# KiCad board Womo.kicad_pcb (continued)
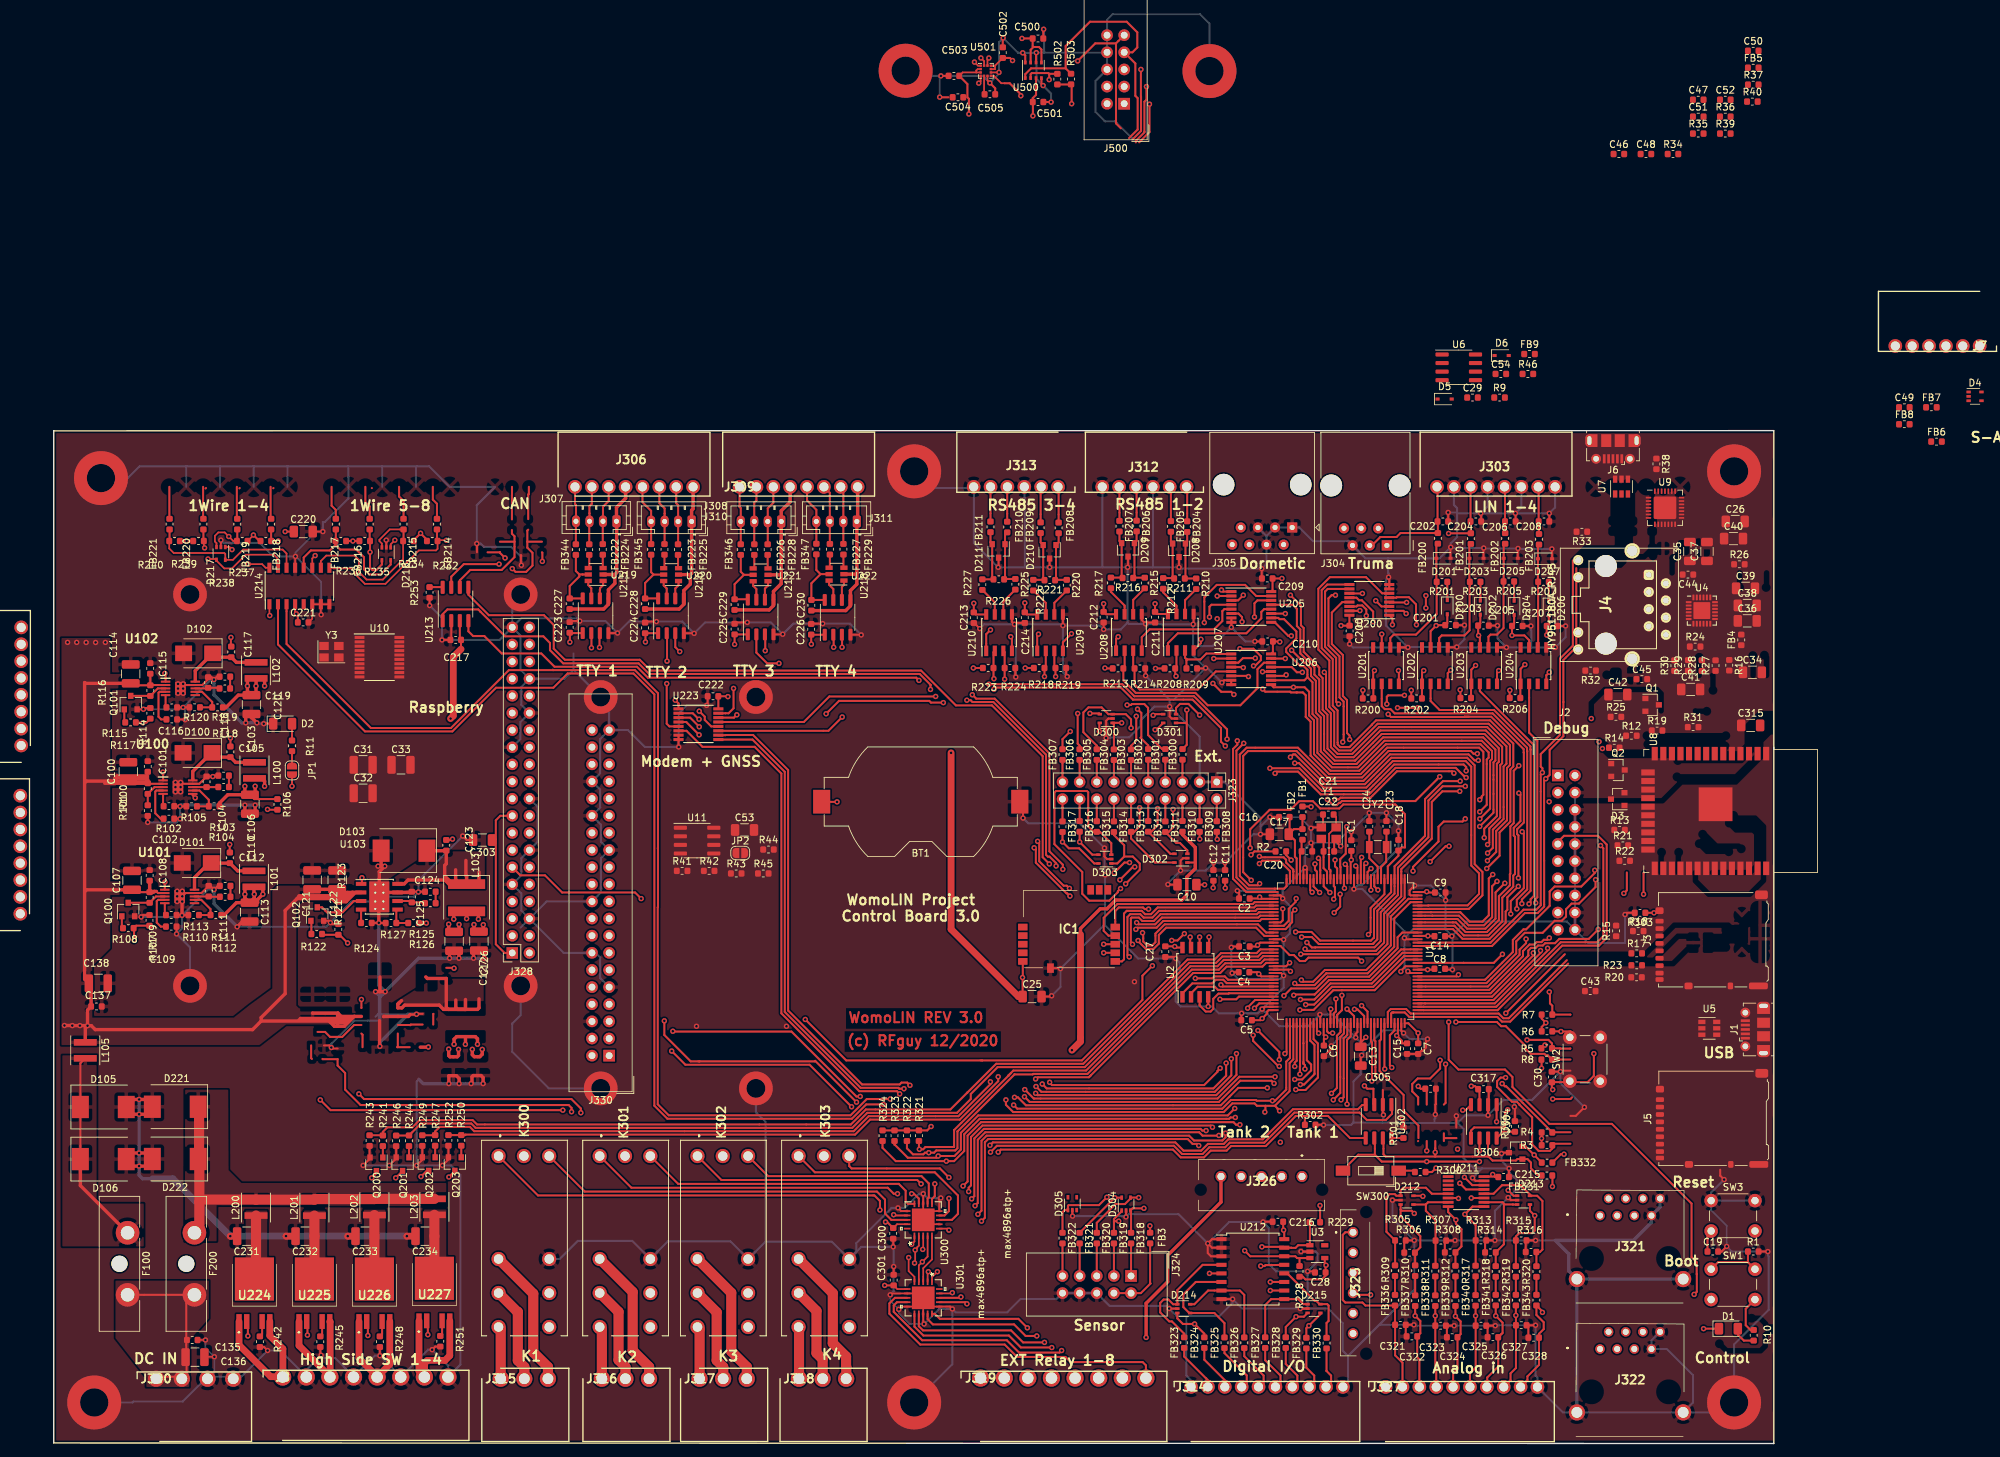
[diagram p0: board, top side]
## Routing (per net, layer and track width the routed paths; a pad name or vN(x,y) marks a point on that pad's centre or on a via; arc(x,y) is an arc through that point) (continued)
  In2.Cu w1: v3(28.32,97.41) v3(29.85,97.41) v3(31.24,97.41) v3(35.31,97.41) 57.79,97.41 60.33,99.95 60.33,105.92 v3(58.8,107.44)
+5V: length 251.1
  Top w0.3: D302.1 168.97,86.1
  Top w0.5: FB310.2 167.26,90.24 169.17,88.34 169.17,85.22 167.89,83.95 167.89,81.28 167.16,80.55 157.37,80.55 156.07,79.25 155.07,79.25 152.15,76.33 152.15,75.44 ; L101.2 30.56,82.5 30.99,82.07 v3(30.99,81.41) 30.21,80.63 30.21,80.16 C113.1 ; L101.2 29.67,81.46 v3(29.72,81.41) 29.72,80.85 C113.1 ; L101.2 28.65,82.5 28.32,82.17 v3(28.32,81.41) 28.32,80.85 C113.1 ; C113.1 27.08,80.16 25.24,78.32 R112.1
  Top w1: 152.15,75.44 152.15,59.56 v3(150.88,58.29)
  In1.Cu w1: K303.A3 116.73,45.21 131.32,45.21 135.38,41.15 140.97,41.15 149.61,49.78 149.61,57.02 v3(150.88,58.29)
  In2.Cu w1.5: K303.A3 114.13,41.12 112.06,39.05 100.33,39.05 99.12,40.26 ; 69.67,40.31 69.67,40.2 68.84,39.37 64.64,39.37 58.17,45.85 31.62,45.85 29.72,47.75 v3(29.72,81.41) ; 69.67,40.31 70.87,39.12 83.38,39.12 84.65,40.39 K301.A3 84.65,40.44 85.92,39.18 97.98,39.18 99.06,40.26 99.12,40.26 ; 69.67,40.31 K300.A3 ; K302.A3 99.14,40.28 99.12,40.26
+5VD: length 80.4
  Top w0.5: 61.01,60.3 59.7,60.3 59.32,59.92 v3(59.32,59.17) ; 61.01,60.3 61.01,59.17 v3(61,59.16) ; 61.01,60.3 62.47,60.3 62.79,59.98 v3(62.79,59.17) ; L103.2 59.23,78.87 59.27,78.83 v3(59.27,77.71) ; L103.2 62.6,78.87 62.93,78.54 v3(62.93,77.71) ; L103.2 v3(61.18,77.79) ; v3(55.51,58.76) 55.49,58.74 54.32,58.74 ; v3(63.5,58.41) 63.5,57.7 63.13,57.33 62.32,57.33 62.03,57.62 v3(62.03,58.42) ; v3(58.52,58.45) 58.52,57.51 58.71,57.32 59.79,57.32 59.98,57.51 v3(59.98,58.41) ; v3(55.21,77.13) 55.2,77.14 R126.1 ; v3(63.65,76.89) 63.65,75.98 63.53,75.86 C126.1 62.45,75.86 62.27,76.05 v3(62.27,76.91) ; v3(60.06,76.92) 60.06,76.1 59.79,75.82 C127.1 58.87,75.82 58.52,76.17 v3(58.52,76.96)
  In2.Cu w0.3: v3(63.65,76.89) 64.09,76.45 69.35,76.45 69.35,76.38 J328.4 J328.2 ; J330.2 J330.4 79.43,59.69 ; 69.13,74.07 69.11,74.05
  In2.Cu w0.5: v3(62.93,77.71) 62.85,77.79 v3(61.18,77.79) 59.35,77.79 v3(59.27,77.71) ; v3(62.93,77.71) 62.27,77.05 v3(62.27,76.91) ; v3(62.93,77.71) 63.65,76.99 v3(63.65,76.89) ; v3(59.27,77.71) v3(58.52,76.96) 58.36,77.13 v3(55.21,77.13) ; v3(59.27,77.71) v3(60.06,76.92) ; v3(55.51,58.76) 58.21,58.76 v3(58.52,58.45) 58.6,58.45 v3(59.32,59.17) 59.98,58.51 v3(59.98,58.41) 60.25,58.41 v3(61,59.16) 61.74,58.42 v3(62.03,58.42) 62.04,58.42 v3(62.79,59.17) 62.79,59.12 v3(63.5,58.41) 78.83,58.41 J330.2
GND: length 2604.2
  Top w0.25: C20.2 186.49,88.85 v3(186.31,89.03) ; C16.1 v3(180.21,92.84) ; U300.21 130.14,34.45 U300.10 ; U300.21 U300.13 ; U300.21 129.49,32.5 U300.7 ; v3(24.77,133.88) 24.77,133.44 24.77,133.44 D217.2 ; v3(39.88,135.15) C220.2 ; U214.7 U214.6 38.31,122.25 C221.2 ; U214.7 39.58,122.88 v3(39.62,122.83) ; U214.7 U214.8 ; v3(138.71,201.65) 138.36,202 U501.6 ; U301.21 130.14,20.29 U301.16 ; U301.21 127.54,20.29 U301.10 125.64,20.29 v3(125.22,19.88) ; U301.21 128.19,22.24 U301.7 124.16,22.24 v3(123.95,22.03) ; U301.21 U301.13 ; v3(140.07,203.21) 140.06,203.2 U501.8 ; v3(35.81,131.47) 35.77,131.42 U214.13 ; v3(23.8,12.85) 22.38,12.85 C136.2 ; C135.2 v3(22.48,15.34) ; C17.1 v3(178.82,90.3)
  Top w0.3: C102.2 18.7,92.61 v3(18.72,92.58) ; 180.73,64.73 179.41,64.73 v3(179.07,64.39) ; 40.04,59 40.82,59 v3(41.14,58.69) 41.29,58.53 42.06,58.53 ; v3(165.29,20) 165.31,19.99 D214.2 ; 202.13,74.73 200.35,74.73 v3(200.15,74.93) ; v3(146.69,209.6) 146.64,209.55 C500.2 ; U211.15 210.69,38.93 v3(210.25,39.37) ; v3(168.85,121.41) 168.91,121.48 168.91,122.94 ; D304.2 158.9,33.6 v3(158.89,33.58) ; Y1.4 190.03,89.19 v3(190.7,88.52) ; U218.4 119.63,119.87 v3(119.66,119.84) ; v3(174.5,73.53) 174.63,73.66 C3.2 ; D209.3 159.19,129.92 v3(159.13,129.86) ; C225.2 101.09,121.69 v3(102.77,121.69) ; v3(113.95,121.51) 112.29,121.51 C226.2 ; U208.5 161.23,122.05 v3(161.8,121.48) 162,121.68 C211.1 ; v3(182.11,80.77) 182.11,80.93 181.81,81.23 180.73,81.23 ; Q101.2 13.27,108.81 v3(13.29,108.83) 13.46,109 R114.2 ; D211.3 140.01,129.92 v3(139.95,129.86) ; v3(174.5,120.97) 174.51,120.98 U205.8 U205.7 ; v3(247.9,29.21) 247.14,28.45 C19.2 ; v3(173.1,112.78) 173.45,113.12 U206.7 U206.8 ; U500.5 143.96,205.73 v3(143.59,206.11) ; R303.2 233.1,78.65 v3(232.84,78.4) ; C7.2 202.26,57.73 ; C7.2 C15.1 200.46,57.73 ; C7.2 202.65,58.2 202.85,58.2 203.36,58.7 203.36,59.73 v3(203.57,59.94) ; v3(166.98,84.91) 166.98,86.37 167.36,86.75 D302.2 ; v3(200.66,69.98) 200.91,69.73 202.13,69.73 ; 185.68,83.68 185.68,85.09 v3(185.43,85.34) 185.18,85.09 185.18,83.68 ; v3(60.61,90.03) 61.2,89.43 C303.2 ; R242.1 31.17,14.3 v3(31.69,13.78) ; C27.2 166.02,72.11 v3(166.24,71.88) ; v3(207.9,118.05) 207.84,117.99 U202.5 ; C9.2 v3(206.25,80.52) ; v3(200.66,117.98) 200.66,117.99 U201.5 ; R306.2 200.13,29.88 R305.2 v3(201.61,30.1) ; U300.10 131.22,36.16 v3(131.45,36.39) ; C223.2 76.61,121.89 v3(77.95,121.89) ; 224.75,48.56 225.54,48.56 v3(226.82,49.84) ; v3(176.02,63.75) 175.97,63.7 C5.2 ; v3(216.45,49.9) 216.52,49.82 R304.2 ; R302.2 188.14,47.23 v3(188.16,47.21) ; D215.2 v3(184.72,20) ; v3(219.58,17.53) C327.2 218.52,17.26 C328.2 ; C503.2 v3(131.46,202.69) ; 199.68,62.28 199.68,61.17 v3(200.03,60.83) ; U203.5 215.26,117.99 v3(215.27,117.98) ; v3(215.65,40.77) 215.63,40.75 C215.1 ; C224.2 87.78,121.82 v3(89.31,121.82) ; v3(185.8,25.51) 186.73,25.51 C28.2 ; v3(207.85,48.55) 207.84,48.54 207.84,46.84 ; C109.2 v3(18.2,75.53) ; IC1.6 149.11,70.46 v3(149.18,70.38) ; D203.2 211.87,132.69 v3(211.9,132.72) ; R253.2 55.69,124.21 v3(55.7,124.19) ; R127.2 48.21,77.14 v3(48.17,77.18) 48.15,77.15 R124.1 ; U204.5 v3(222.5,117.98) ; v3(201.65,82.7) 200.92,81.96 200.92,81.37 201.06,81.23 202.13,81.23 ; 187.68,62.28 187.68,63.52 v3(187.62,63.58) ; C23.1 v3(197.49,93.47) ; v3(216.6,137.86) 216.62,137.83 C206.2 ; v3(143.63,92.69) 143.63,94.64 BT1.2 ; v3(179.21,32.83) 179.25,32.87 C216.1 ; U209.5 v3(149.54,121.22) ; C501.2 147.78,198.82 v3(147.79,198.81) ; C205.1 v3(218.89,121.16) ; U200.7 U200.8 197.9,128.3 v3(197.8,128.4) ; 193.68,56 193.68,57.4 v3(193.8,57.53) 193.8,57.28 ; C502.2 140.63,208.25 v3(140.69,208.32) ; v3(182.25,69.34) 181.86,69.73 180.73,69.73 ; 128.84,37.21 v3(128.84,37.02) U300.13 ; v3(179.01,129.67) 179.01,128.23 179.04,128.21 ; R245.1 39.5,13.21 v3(39.62,13.08) ; v3(62.69,133.38) 62.71,133.35 62.71,132.08 ; C208.2 v3(221.62,137.86) ; v3(13.92,92.05) 13.93,92.06 R101.2 ; C11.2 173.57,86.07 v3(173.55,86.1) ; v3(189.31,58.93) 189.31,58.5 C6.2 ; C202.2 v3(206.63,137.99) ; v3(175.39,81.91) 175.64,81.66 C2.2 ; v3(222,132.59) 222.03,132.55 D207.2 ; v3(108.03,119.94) 108.01,119.92 U217.4 ; U212.2 171.64,29.02 v3(171.01,29.65) ; C200.2 v3(192.02,118.49) ; v3(207.52,17.46) C323.2 206.44,17.32 C324.2 ; v3(19.47,107.26) 19.42,107.31 C116.2 ; C213.1 136.4,121.6 v3(137.22,120.78) ; D300.2 156.28,107.44 155.95,107.11 v3(155.95,104.57) ; R107.2 13.23,78.32 v3(12.96,78.04) ; 143.89,121.61 142.57,121.61 v3(142.37,121.41) 141.99,121.79 141.99,122.87 ; v3(171.01,29.65) 171.64,30.29 U212.1 ; v3(171.01,29.65) 171.01,28.22 171.48,27.75 U212.3 ; U216.4 94.87,120.1 v3(94.9,120.07) ; v3(204.73,48.77) 204.73,50.23 204.81,50.32 C305.1 ; U3.2 184.85,28.44 v3(184.82,28.46) ; v3(19.05,81.09) 19.54,81.58 U101.9 21.89,81.58 C111.1 23.2,82.65 v3(23.76,82.09) 24.31,82.64 C112.1 ; C210.2 v3(177.99,118.87) ; v3(192.66,82.17) 192.68,82.19 192.68,83.68 ; D208.3 v3(166.75,129.86) ; 69.29,131.59 69.23,131.65 69.23,130.23 v3(69.29,130.16) ; U100.11 18.9,97.78 U100.9 21.57,97.78 C104.1 23.56,98.86 v3(23.57,98.84) 23.71,98.98 C105.1 ; v3(182.25,74.68) 182.19,74.73 180.73,74.73 ; v3(146.61,201.26) 146.36,201.5 U500.1 ; 224.75,55.25 223.4,55.25 v3(223.27,55.12) 223.25,55.11 C30.1 ; D212.2 v3(198.38,36.07) ; v3(128.97,17.72) 128.84,17.84 U301.13 ; R248.1 v3(48.32,13.02) ; C21.2 188.09,91.57 Y1.2 186.44,91.31 v3(186.31,91.19) ; v3(165.36,109.22) 165.36,107.77 165.68,107.44 D301.2 ; v3(142.56,113.6) 142.48,113.68 R224.2 ; v3(138.71,201.65) 139.51,200.85 C505.2 ; R252.2 Q203.2 58.48,42.1 v3(57.6,41.21) ; 206.17,70.23 v3(207.26,70.23) ; v3(212.54,48.64) 212.54,50.17 212.65,50.28 C317.1 ; D303.2 156.08,86.62 155.68,87.02 155.68,88.23 v3(155.7,88.25) ; R113.2 19.06,78.32 v3(19.01,78.27) 18.96,78.32 R110.2 ; C22.2 189.74,89.32 ; C201.1 v3(209.04,121.28) ; C25.2 147.75,66.24 v3(147.87,66.35) ; v3(171.87,86.1) 171.84,86.07 C12.2 ; C301.1 v3(124.46,26.23) ; R121.2 41.23,76.97 v3(41,77.2) 40.73,77.47 Q102.2 40.01,77.22 ; C24.1 v3(194.95,93.47) ; 193.18,62.28 193.18,60.98 192.91,60.71 192.91,60.2 v3(192.93,60.18) ; C204.2 211.52,137.79 v3(211.46,137.86) ; C10.2 165.13,82.82 v3(165.1,82.85) ; v3(145.61,206.13) 145.56,206.09 U500.7 ; v3(213.62,17.46) C325.2 212.47,17.27 C326.2 ; C212.1 v3(155.58,120.65) ; v3(83.54,120.12) 83.53,120.11 U215.4 ; v3(133.16,19.94) 132.81,20.29 U301.16 ; v3(45.85,41.21) 46.87,42.23 Q200.2 46.8,42.45 R243.2 ; v3(201.55,17.59) C321.2 200.34,16 C322.2 ; U212.8 v3(174.69,21.4) ; U223.7 U223.8 92.58,103.25 v3(92.61,103.23) ; C222.2 96.9,109.55 v3(96.75,109.4) ; R308.2 206.13,29.87 R307.2 207.62,30.07 v3(207.65,30.1) ; v3(247.52,39.12) 246.95,39.69 246.95,40.58 ; U300.16 125.57,34.45 v3(125.1,34.92) ; C119.1 24.17,113.65 v3(23.74,113.22) 23.38,113.58 C118.1 22.89,113.28 22.02,112.41 U102.9 19.27,112.41 U102.11 ; v3(199.82,48.09) 200,47.92 R301.2 ; v3(131.28,199.54) 131.31,199.52 132.59,199.52 ; 175.59,69.85 174.75,69.85 v3(174.63,69.72) ; C14.1 v3(207.17,75.18) ; v3(215.52,36.45) 215.9,36.07 D213.2 ; C300.1 v3(124.4,29.15) ; C124.2 54.08,81.78 v3(54.04,81.74) 54,81.78 C125.2 ; v3(56.07,13.91) 56.53,14.36 R251.1 ; D305.2 150.94,33.73 v3(150.97,33.7) ; D210.3 147.57,129.86 v3(147.57,129.86) ; 193.68,57.53 193.8,57.66 ; R214.2 161.8,114.81 v3(161.8,113.79) ; v3(197.04,48.7) 196.95,48.79 U302.2 196.95,52.4 ; R117.2 v3(19.18,109.09) 19.19,109.11 R120.2 ; v3(219.58,30.1) R315.2 218.12,29.98 R316.2 ; 58.9,121.45 58.9,119.23 C217.1 v3(57.53,119.1) ; v3(214.54,42.98) 214.67,43.1 D306.3 ; v3(150.18,113.66) 150.01,113.83 R219.2 ; R314.2 212.1,29.92 R313.2 v3(213.55,30.1) ; 52.82,63.58 53.71,63.58 v3(53.76,63.63) 53.81,63.68 54.69,63.68 ; D2.1 v3(31.12,106.68) ; R209.2 170.63,114.87 v3(170.69,114.94) ; 155.78,84.29 v3(155.79,84.27) ; v3(53.79,41.21) 54.62,42.04 Q202.2 54.61,42.42 R249.2 ; C207.1 v3(224.03,121.16) ; v3(216.98,132.65) 216.95,132.62 D205.2 ; R102.2 18.7,94.45 v3(18.72,94.42) 18.73,94.44 R105.2 ; v3(49.28,133.88) 49.28,133.88 D218.2 ; C203.1 v3(213.93,121.22) ; C18.2 v3(199.26,90.81) ; R1.2 v3(254,28.45) ; U2.4 v3(171.07,64.77) ; v3(207.01,132.84) 206.98,132.81 D201.2 ; R246.2 50.74,42.4 Q201.2 50.74,42.23 v3(49.72,41.21) ; C1.2 v3(192.28,90.68)
  Top w0.5: 48.89,63.26 48.92,63.3 52.54,63.3 52.82,63.58 ; v3(61.85,53.34) 61.98,53.47 61.98,54.36 62.15,54.53 63.33,54.53 63.63,54.23 v3(63.63,53.34) ; v3(49.05,85.56) 48.66,85.56 48.51,85.71 ; v3(49.05,85.56) 48.25,84.76 U103.9 ; v3(49.05,85.56) v3(48.06,85.56) 48.36,85.56 48.51,85.71 ; v3(28.45,106.81) 28.45,107.82 28.74,108.11 C120.2 29.3,107.61 v3(30.1,106.81) ; v3(19.01,78.27) 19.01,80.29 v3(19.05,80.33) ; v3(48.32,58.86) 48.29,58.9 48.29,62.66 ; v3(48.17,77.18) 48.17,80.96 U103.9 ; v3(58.65,71.92) 58.65,72.92 58.75,73.03 60.02,73.03 60.05,73 v3(60.05,71.92) ; D105.2 11.86,50.99 v3(12.65,50.99) 13.56,50.99 14.73,49.82 ; D105.2 11.53,49.87 ; D105.2 11.82,48.79 v3(12.65,48.79) 14.12,48.79 14.73,49.4 14.73,49.82 ; D105.2 11.57,49.87 ; v3(29.85,94.61) 29.85,93.73 29.47,93.35 C106.2 28.44,93.35 28.32,93.47 v3(28.32,94.61) ; C113.2 27.95,77.36 v3(27.18,76.58) ; U103.9 48.88,81.67 U103.7 52.72,81.67 52.97,81.93 ; 48.33,69.15 48.33,67 ; 48.33,67 48.3,66.97 v3(47.69,66.97) ; 48.33,67 48.37,66.97 v3(49.11,66.97) ; 48.51,85.71 D103.2 ; v3(63.79,71.89) 63.79,72.73 63.46,73.06 C126.2 62.42,73.06 62.21,72.85 v3(62.21,71.92) ; 14.73,49.82 13.82,49.82 ; v3(58.55,53.34) 58.55,54.48 58.58,54.52 59.66,54.52 60.07,54.1 v3(60.07,53.34) ; 14.77,41.74 14.14,41.11 v3(12.65,41.11) 11.79,41.11 D106.2 10.75,42.37 11.43,43.05 v3(12.65,43.05) 14.31,43.05 14.77,42.6 14.77,41.74
  Top w1: v3(26.16,30.73) 26.17,30.73 C231.2 ; v3(43.56,30.73) 43.57,30.73 C233.2 ; C232.2 34.43,30.73 v3(34.42,30.73) ; v3(52.32,30.73) 52.33,30.73 C234.2
  Bottom w0.25: v3(39.88,135.15) 38.93,135.15 35.81,132.04 v3(35.81,131.47) ; v3(192.28,90.68) 191.71,90.68 190.06,89.03 v3(186.31,89.03) ; v3(186.31,89.03) v3(186.31,91.19) 184.66,92.84 v3(180.21,92.84) 178.82,91.44 v3(178.82,90.3) ; v3(186.31,89.03) 185.43,88.15 v3(185.43,85.34) ; J300.3 23.8,10.62 v3(23.8,12.85) 22.48,14.17 v3(22.48,15.34) ; SW3.1 245.6,34.58 247.9,32.27 v3(247.9,29.21) ; v3(128.97,17.72) 126.82,17.72 125.22,19.31 v3(125.22,19.88) 123.95,21.15 v3(123.95,22.03) ; v3(39.62,122.83) 39.62,127.66 ; 39.65,127.66 35.84,131.47
  Bottom w0.3: v3(27.18,76.58) 40.37,76.58 v3(41,77.2) 44.13,80.34 U103.9 ; v3(207.17,75.18) 209.35,77.36 224.21,77.36 J2.20 ; v3(207.01,132.84) 207.01,133.41 207.96,134.36 207.96,137.92 ; v3(207.01,132.84) 207.14,132.72 v3(211.9,132.72) 211.96,132.65 v3(216.98,132.65) 217.04,132.59 v3(222,132.59) ; v3(207.01,132.84) 205.36,131.19 197.74,131.19 ; v3(213.55,30.1) v3(207.65,30.1) v3(201.61,30.1) ; v3(213.55,30.1) v3(219.58,30.1) 222.5,30.1 ; v3(213.55,30.1) 213.55,34.48 v3(215.52,36.45) 216.79,37.72 216.79,39.06 215.65,40.2 v3(215.65,40.77) ; v3(48.17,77.18) 48.17,80.96 U103.9 53.34,81.04 v3(54.04,81.74) 54.04,83.46 v3(60.61,90.03) ; v3(201.61,30.1) 198.38,33.34 v3(198.38,36.07) ; v3(201.61,30.1) 201.61,22.8 196.41,17.59 ; 191.79,12.97 191.79,8.64 ; 191.79,12.97 191.01,13.74 191.01,17.84 188.85,20 185.87,20 ; 191.79,12.97 196.41,17.59 ; v3(150.18,113.66) 149.54,114.3 v3(149.54,121.22) ; v3(215.65,40.77) 214.54,41.87 v3(214.54,42.98) ; v3(215.65,40.77) 211.65,40.77 ; J2.20 J2.18 J2.16 J2.14 J2.12 J2.10 J2.8 J2.6 J2.4 ; J2.20 227.41,74.17 232.8,74.18 232.84,74.22 v3(232.84,78.4) ; 218.95,117.98 218.95,120.53 218.89,120.59 v3(218.89,121.16) ; 218.95,117.98 v3(222.5,117.98) 224.03,119.51 v3(224.03,121.16) ; 218.95,117.98 v3(215.27,117.98) ; 204.6,47.5 204.6,48.08 204.73,48.2 v3(204.73,48.77) ; 204.6,47.5 200.34,47.5 200.28,47.56 199.82,47.57 ; 204.6,47.5 208.03,47.5 ; v3(185.43,85.34) 182.11,82.02 v3(182.11,80.77) ; 207.96,137.92 207.9,137.99 v3(206.63,137.99) ; 207.96,137.92 207.96,138.62 207.48,139.1 207.48,141.6 ; 207.96,137.92 208.03,137.86 v3(211.46,137.86) ; J328.39 67.95,124.59 v2(69.19,125.83) ; J328.39 69.27,122.29 77.55,122.29 v3(77.95,121.89) 81.76,121.89 v3(83.54,120.12) 85.24,121.82 v3(89.31,121.82) 93.14,121.82 v3(94.9,120.07) 96.52,121.69 v3(102.77,121.69) 106.27,121.69 v3(108.03,119.94) 109.6,121.51 v3(113.95,121.51) 117.98,121.51 v3(119.66,119.84) ; J328.39 66.08,119.1 v3(57.53,119.1) 57.53,122.36 v3(55.7,124.19) ; J328.39 69.15,119.77 69.15,114.69 J328.34 ; 206.12,76.33 201.55,76.33 v3(200.15,74.93) ; 206.12,76.33 207.26,75.18 v3(207.26,70.23) ; 206.12,76.33 206.25,76.45 v3(206.25,80.52) 204.07,82.7 v3(201.65,82.7) ; 143.89,129.86 v3(147.57,129.86) 155.45,129.86 ; 143.89,129.86 v3(139.95,129.86) 136.34,133.47 136.34,141.6 129.98,141.6 v1(127.5,144.08) ; 143.89,129.86 143.89,140.13 143.84,140.17 143.84,141.6 ; v3(143.63,92.69) 144.41,91.92 152.03,91.92 v3(155.7,88.25) 155.7,84.37 v3(155.79,84.27) 155.79,83.71 155.78,83.69 155.78,76.79 ; 190.06,89.03 190.17,88.92 190.3,88.92 v3(190.7,88.52) ; 48.29,62.66 44.55,62.66 41.14,59.25 v3(41.14,58.69) ; 185.29,20 176.09,20 v3(174.69,21.4) 174.69,20.83 172.74,18.88 167.83,18.88 ; 185.29,20 v3(184.72,20) ; 185.29,20 185.87,20 ; 146.76,206.13 156.03,206.13 J500.8 ; 146.76,206.13 146.76,208.96 146.69,209.04 v3(146.69,209.6) ; 146.76,206.13 v3(145.61,206.13) ; J500.8 J500.10 156.08,211.01 156.91,211.84 169.86,211.84 171.26,210.44 v1(171.26,203.41) ; J500.8 J500.6 154.37,201.93 154.37,197.36 155.77,195.96 157.29,195.96 159.77,193.48 ; v3(19.18,109.09) 19.47,108.8 v3(19.47,107.26) ; v3(19.18,109.09) 18.91,108.83 v3(13.29,108.83) ; v3(19.18,109.09) 23.31,113.22 v3(23.74,113.22) ; 192.66,132.97 191.9,133.73 186.6,133.73 184.57,135.76 J305.1 J305.3 179.71,134.49 ; 169.29,8.64 167.83,10.09 167.83,18.88 ; 155.45,129.86 v3(159.13,129.86) ; 155.45,129.86 155.39,129.91 155.39,141.73 ; v3(155.95,104.57) 156.51,104.57 156.6,104.66 159.35,104.66 161.04,106.34 161.04,107.16 163.1,109.22 v3(165.36,109.22) ; 222.48,141.6 222.48,138.72 v3(221.62,137.86) v3(216.6,137.86) ; v3(177.99,118.87) 176.59,118.87 v3(174.5,120.97) 171.7,118.17 168.85,118.17 ; 208.03,47.5 208.03,47.81 207.85,47.99 v3(207.85,48.55) ; 208.03,47.5 208.92,46.61 208.92,42.29 210.44,40.77 211.65,40.77 ; 208.03,47.5 209.17,48.64 v3(212.54,48.64) 214.82,50.93 216.43,50.93 ; v3(182.11,80.77) 180.97,81.91 v3(175.39,81.91) ; v3(182.11,80.77) 183.17,79.71 183.17,75.6 v3(182.25,74.68) v3(182.25,69.34) ; 199.82,47.57 v3(199.82,48.09) ; 199.82,47.57 196.91,47.56 ; v3(18.72,94.42) v3(18.72,92.58) 18.19,92.05 v3(13.92,92.05) ; v3(207.9,118.05) 207.96,117.98 v3(215.27,117.98) ; v3(207.9,118.05) 200.72,118.05 v3(200.66,117.98) ; v3(207.9,118.05) 209.04,119.19 v3(209.04,121.28) ; v3(145.61,206.13) 145.61,202.26 v3(146.61,201.26) 147.79,200.08 v3(147.79,198.81) ; v3(145.61,206.13) 145.58,206.11 v3(143.59,206.11) 142.9,206.11 v3(140.69,208.32) 140.07,207.7 v3(140.07,203.21) 140.07,203.01 v3(138.71,201.65) 137.67,202.69 v3(131.46,202.69) ; 216.43,50.93 219.08,50.93 v3(223.27,55.12) 223.27,53.39 v3(226.82,49.84) ; 216.43,50.93 216.43,50.48 216.45,50.46 v3(216.45,49.9) ; v3(189.31,58.93) 190.56,60.18 v3(192.93,60.18) ; v3(131.45,36.39) 129.48,36.39 v3(128.84,37.02) 128.24,37.02 126.14,34.92 v3(125.1,34.92) 124.14,34.92 118.93,29.71 118.93,28.39 K303.22 ; v3(142.37,121.41) 137.86,121.41 v3(137.22,120.78) ; v3(142.37,121.41) 142.56,121.22 v3(142.56,113.6) ; v3(142.37,121.41) 149.35,121.41 v3(149.54,121.22) ; 105.47,29.91 105.47,47.67 104.05,49.1 v2(104.05,52.63) ; 105.47,29.91 103.96,28.39 103.94,28.39 K302.22 100.26,29.97 91,29.97 89.45,28.43 89.45,28.39 K301.22 85.71,30.04 77.66,30.04 74.97,27.34 K300.22 ; 105.47,29.91 115.31,29.91 K303.22 ; v1(126.24,203.45) 127,202.69 v3(131.46,202.69) ; v3(216.6,137.86) 217.48,138.74 217.48,141.6 ; v3(216.6,137.86) v3(211.46,137.86) ; v3(53.79,41.21) v3(49.72,41.21) v3(45.85,41.21) ; v3(53.79,41.21) 53.79,53.66 54.1,53.97 ; v3(53.79,41.21) v3(57.6,41.21) 58.87,41.21 60.26,39.81 60.26,11.7 58.46,9.9 58.46,11.52 v3(56.07,13.91) 55.47,13.91 51.46,9.9 51.44,9.9 v3(48.32,13.02) 47.58,13.02 44.46,9.9 41.67,12.68 40.02,12.68 v3(39.62,13.08) 37.46,10.91 37.46,9.9 33.58,13.78 v3(31.69,13.78) 27.81,9.9 22.78,9.9 ; v3(131.46,202.69) 131.28,202.51 v3(131.28,199.54) ; J322.MH4 J322.MH3 223.64,4.61 219.53,8.71 J327.10 219.86,9.81 219.62,10.05 219.58,10.05 v3(219.58,17.53) 213.68,17.53 v3(213.62,17.46) v3(207.52,17.46) 201.68,17.46 v3(201.55,17.59) 196.41,17.59 ; J322.MH4 242.91,6.07 242.91,10.11 239.01,14.01 J322.7 236.75,15.28 J322.8 ; J322.MH4 247.53,4.61 v1(249,6.08) 249,14.68 254.13,19.81 254.13,27.76 254,27.88 v3(254,28.45) 248.67,28.45 v3(247.9,29.21) ; 48.67,141.78 48.67,144.81 48.69,144.83 ; SW3.1 SW3.1 245.6,37.19 v3(247.52,39.12) ; 34.62,144.83 29.59,144.83 ; 34.62,144.83 43.66,144.83 ; 34.62,144.83 34.63,144.82 34.63,141.78 ; 29.59,144.83 24.61,144.83 ; 29.59,144.83 29.63,144.79 29.63,141.78 ; v3(192.93,60.18) 189.53,63.58 v3(187.62,63.58) 185.89,61.85 181.61,61.85 v3(179.07,64.39) ; v3(192.93,60.18) 194.08,59.04 ; 168.85,118.17 168.85,116.78 v3(170.69,114.94) ; 168.85,118.17 v3(168.85,121.41) 161.86,121.41 v3(161.8,121.48) 159.32,121.48 159.13,121.67 ; 197.74,131.19 194.37,131.19 J304.5 ; 197.74,131.19 197.74,129.03 197.8,128.96 v3(197.8,128.4) 197.4,128 197.4,121.24 v3(200.66,117.98) ; 53.82,144.83 55.63,144.83 58.67,141.78 65.41,141.78 62.69,139.06 v3(62.69,133.38) 63.25,133.38 63.74,132.89 67.77,132.89 69.29,131.37 v3(69.29,130.16) ; 53.82,144.83 53.67,144.68 53.67,141.78 ; 53.82,144.83 48.69,144.83 ; v3(19.01,78.27) 22.84,82.09 v3(23.76,82.09) ; v3(19.01,78.27) 19.01,76.34 v3(18.2,75.53) 20.19,73.54 v2(20.19,67.83) ; v3(19.01,78.27) 18.78,78.04 v3(12.96,78.04) ; 77.03,114.66 77.03,117.09 ; 77.03,114.66 75.72,113.35 J328.34 ; 77.03,114.66 v2(81.05,110.63) 82.3,109.38 J330.39 ; 24.61,144.83 19.69,144.83 ; 24.61,144.83 24.63,144.81 24.63,141.78 ; 19.69,144.83 19.63,144.78 19.63,141.78 ; 19.69,144.83 12.73,144.83 10.98,143.08 v1(7,143.08) ; J328.34 69.29,112.15 69.29,109.47 J328.30 69.15,106.93 69.15,104.39 J328.25 ; 194.08,59.04 194.08,57.93 193.8,57.66 ; 194.08,59.04 194.8,59.04 197,61.23 199.63,61.23 v3(200.03,60.83) 200.91,59.94 203,59.94 203.01,59.94 v3(203.57,59.94) ; 178.82,91.44 178.82,92.72 173.49,98.04 J323.1 J323.3 169.8,104.78 v3(165.36,109.22) ; v3(200.66,69.98) 200.15,70.48 v3(200.15,74.93) ; v3(24.77,133.88) 25.17,133.48 30.53,133.48 32.54,131.47 v3(35.81,131.47) ; v2(81.05,52.63) 73.35,52.63 67.94,58.04 67.94,62.23 69.19,63.48 v2(69.19,67.83) ; v3(128.97,17.72) 131.19,19.94 v3(133.16,19.94) ; v3(150.97,33.7) 158.77,33.7 v3(158.89,33.58) 159.29,33.98 166.68,33.98 v3(171.01,29.65) 174.18,32.83 v3(179.21,32.83) 180.05,31.99 180.05,26.59 181.13,25.51 v3(185.8,25.51) ; v3(197.04,48.7) 197.04,48.14 196.91,48.01 196.91,47.56 ; 196.91,47.56 192.6,47.56 ; v3(149.54,121.22) 155,121.22 v3(155.58,120.65) 158.12,120.65 159.13,121.67 ; 162.81,129.86 v3(166.75,129.86) 166.94,129.67 v3(179.01,129.67) 179.71,130.37 179.71,134.49 ; 162.81,129.86 v3(159.13,129.86) ; 162.81,129.86 162.89,129.94 162.89,141.73 ; v3(192.28,90.68) 192.28,90.81 v3(194.95,93.47) v3(197.49,93.47) 199.26,91.69 v3(199.26,90.81) 199.26,88.17 193.86,82.77 193.26,82.77 v3(192.66,82.17) 193.92,82.17 200.15,75.93 v3(200.15,74.93) ; K303.22 119.68,29.15 v3(124.4,29.15) 124.46,29.08 v3(124.46,26.23) 124.46,22.54 v3(123.95,22.03) ; v3(192.02,118.49) 192.53,117.98 v3(200.66,117.98) ; v3(185.8,25.51) 185.8,20.07 185.87,20 ; v3(185.8,25.51) 187.28,26.99 187.28,28.16 186.97,28.46 v3(184.82,28.46) ; 192.6,47.56 192.24,47.21 v3(188.16,47.21) ; 192.6,47.56 192.6,53.66 193.68,54.74 193.68,57.4 v3(193.8,57.53) ; v3(159.13,129.86) 159.13,121.67 ; 212.48,141.6 212.48,138.88 v3(211.46,137.86) ; 22.78,9.9 19.11,6.22 11.8,6.22 11.66,6.08 v1(6,6.08) ; 22.78,9.9 22.48,10.2 ; v3(213.93,121.22) 213.93,119.32 v3(215.27,117.98) ; J328.20 71.69,94.37 71.69,89.15 J328.14 69.29,86.75 69.29,84.21 J328.9 69.29,81.53 69.29,78.99 J328.6 ; 165.36,110.24 165.99,110.24 v3(170.69,114.94) ; 165.36,110.24 v3(165.36,109.22) ; 165.36,110.24 v3(161.8,113.79) ; J330.39 85.09,105.74 87.61,103.23 v3(92.61,103.23) 92.61,108.2 93.8,109.4 v3(96.75,109.4) ; J330.39 80.97,104.42 80.97,99.34 J330.34 80.97,96.91 80.97,94.26 J330.30 81.09,91.72 81.09,89.18 J330.25 81.09,86.75 81.09,81.67 J330.20 73.04,80.34 J328.6 ; J330.9 80.97,68.97 80.97,72.05 80.3,72.72 J330.14 75.55,72.72 J328.6 ; v3(182.25,69.34) 181.75,68.85 175.5,68.85 v3(174.63,69.72) 174.5,69.85 v3(174.5,73.53) ; v3(182.25,69.34) 182.25,67.56 v3(179.07,64.39) ; v3(53.76,63.63) 48.05,63.63 47.69,63.26 ; v3(147.87,66.35) 149.18,67.67 v3(149.18,70.38) 155.59,76.79 155.78,76.79 ; 43.66,144.83 48.69,144.83 ; 43.66,144.83 43.66,143.23 43.67,143.21 43.67,140.07 40.17,136.56 39.88,136.56 v3(39.88,135.15) 39.88,135.84 ; v3(170.69,114.94) 170.94,114.94 v3(173.1,112.78) ; v3(179.07,64.39) 178.44,63.75 v3(176.02,63.75) 172.65,63.75 171.64,64.77 v3(171.07,64.77) 167.01,64.77 166.24,65.53 166.24,69.25 166.84,69.85 166.84,71.29 v3(166.24,71.88) 160.69,71.88 155.78,76.79 ; v3(165.1,82.85) 165.1,83.04 v3(166.98,84.91) 170.69,84.91 v3(171.87,86.1) v3(173.55,86.1) 177.75,90.3 v3(178.82,90.3) ; J328.6 69.15,76.45 ; 21.34,124.69 v2(20.19,125.83) ; 211.65,40.77 v3(210.25,39.37) ; v3(133.16,19.94) 133.67,19.43 141.29,19.43 143.28,21.42 148.62,21.42 J324.10 J324.8 J324.6 156.45,20.4 164.89,20.4 v3(165.29,20) 166.41,18.88 167.83,18.88 ; v3(133.16,19.94) 133.16,11.74 v1(127.5,6.08) ; J305.5 179.71,134.49 ; v3(31.12,106.68) 30.23,106.68 v3(30.1,106.81)
  Bottom w0.5: v3(30.1,106.81) v3(28.45,106.81) 27.88,106.81 23.74,110.95 v3(23.74,113.22) ; v3(49.11,66.97) 48.17,67.91 v3(48.17,77.18) ; v3(49.11,66.97) 54.06,71.92 v3(58.65,71.92) v3(60.05,71.92) v3(62.21,71.92) 62.23,71.89 v3(63.79,71.89) ; v3(49.11,66.97) 48.29,66.14 48.29,62.66 48.29,66.37 v3(47.69,66.97) ; v3(53.76,63.63) 52.52,63.63 48.32,59.43 v3(48.32,58.86) ; v3(18.72,94.42) 18.91,94.61 v3(28.32,94.61) v3(29.85,94.61) ; 14.68,39.24 13.16,39.24 12.65,39.75 v3(12.65,41.11) v3(12.65,43.05) v3(12.65,48.79) v3(12.65,50.99) ; v3(63.63,53.34) v3(61.85,53.34) v3(60.07,53.34) v3(58.55,53.34) 54.74,53.34 54.1,53.97 ; v3(49.05,85.56) 48.25,84.76 U103.9 ; J321.MH3 224.51,25.57 224.51,28.1 222.5,30.1 234.07,30.1 236.76,32.78 J321.7 238.03,35.04 J321.8 ; J321.MH3 225.71,4.61 J322.MH3 ; J321.MH3 J321.MH4 ; v3(27.18,76.58) 23.76,80 23.76,82.31 v3(23.76,82.09)
  Bottom w1: v3(52.32,30.73) v3(43.56,30.73) v3(34.42,30.73) v3(26.16,30.73) 17.66,39.24 14.68,39.24
  vias: v1(249,144.08) v2(104.05,110.63) v3(18.03,97.98) v3(18.03,97.28) v3(18.03,96.58) v3(18.29,81.85) v3(18.29,81.09) v3(18.29,80.33) v3(18.42,112.59) v3(18.42,111.89) v3(18.42,111.19) v3(18.8,97.98) v3(18.8,97.28) v3(18.8,96.58) v3(19.05,81.85) v3(19.18,112.59) v3(19.18,111.89) v3(19.18,111.19) v3(95.25,61.83) v3(108.58,61.83) v3(160.14,68.44)
